# KiCad board -Z.kicad_pcb (continued)
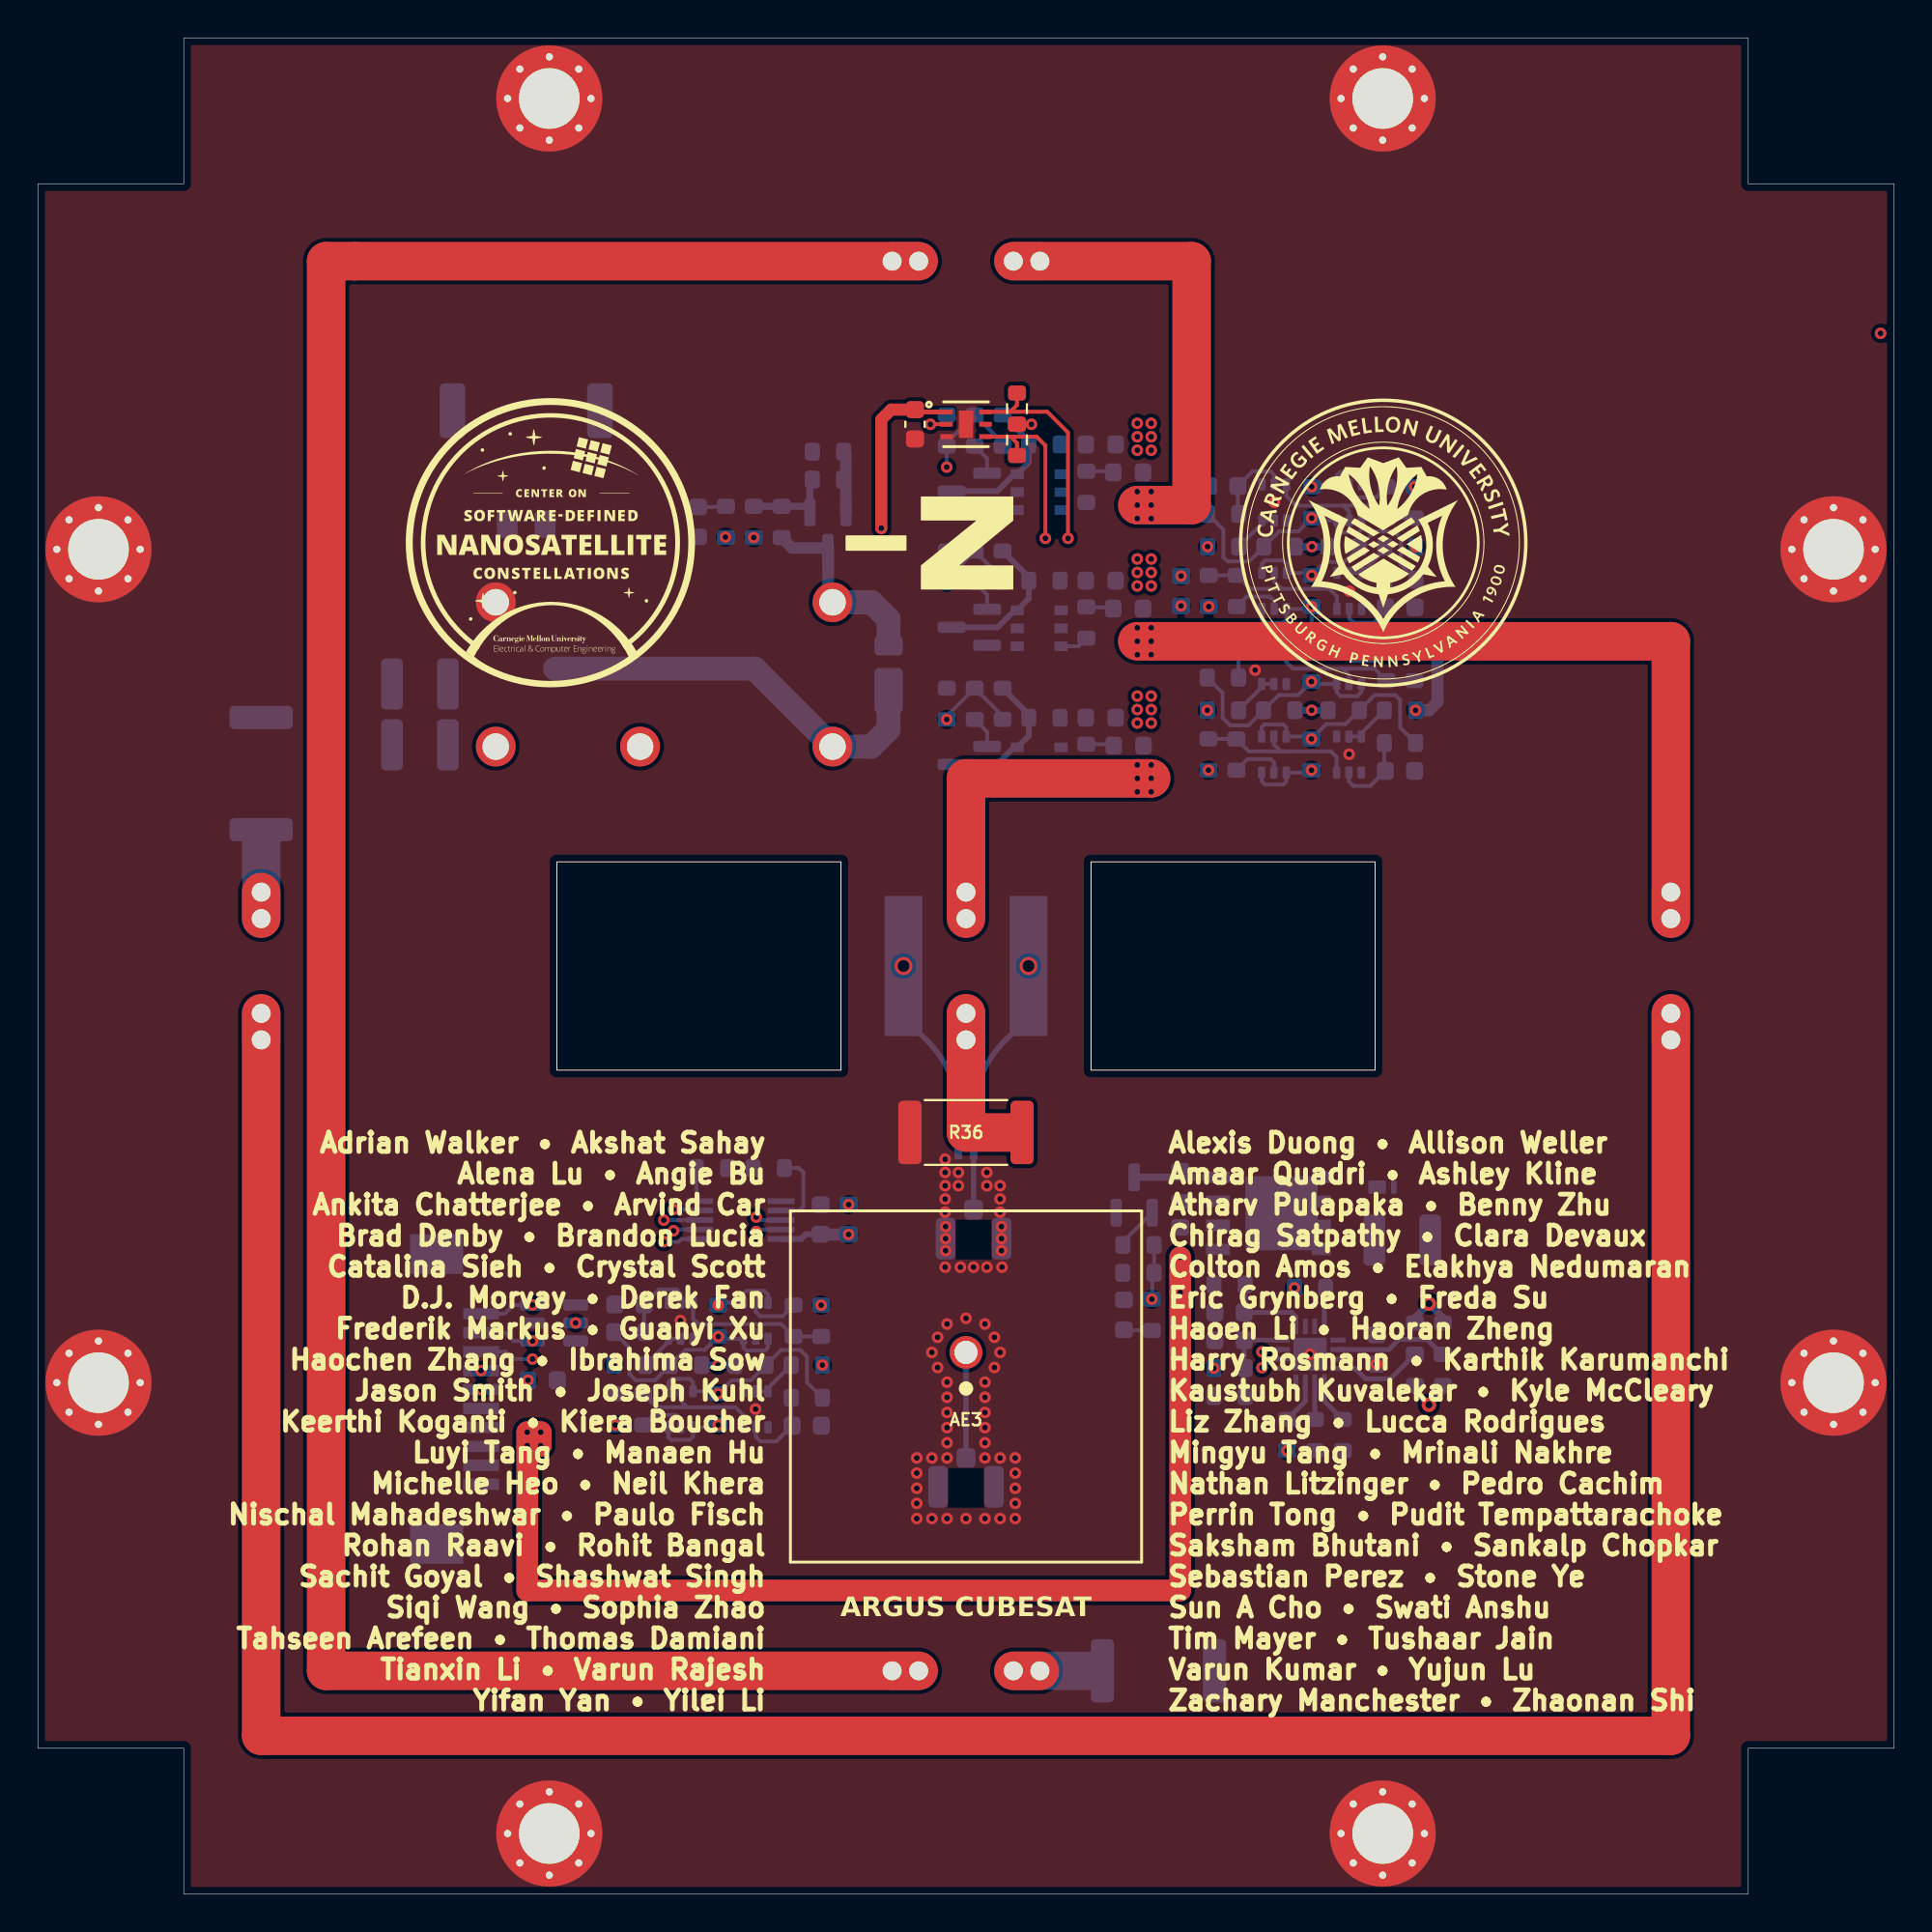
[diagram p0: board, top side]
## Nets
3V3_P: C13.1 F1.2 F6.2 J1.6 J1.7 R41.1 R42.2 R50.1 R52.1 R53.1 R55.1 R58.1 R59.1 R61.1 U5.5
GND: BA1.2 C1.2 C2.2 C3.2 C4.2 C5.2 C6.2 C7.2 C8.2 C9.2 C10.2 C11.2 C12.2 C13.2 C14.2 C15.2 D2.1 D3.1 D4.1 D5.1 D6.1 D7.2 H1.1 H2.1 H3.1 H4.1 H5.1 H6.1 H7.1 H8.1 J1.4 J1.5 J1.MP J2.1 J2.MP J3.2 J4.2 Q2.1 Q2.4 Q4.1 Q4.4 Q6.2 Q8.2 Q10.2 Q12.2 Q15.1 Q15.4 Q17.1 Q17.4 Q19.1 Q19.4 Q21.1 Q21.4 R18.2 R21.2 R24.1 R27.2 R30.1 R33.2 R36.1 R38.1 R43.1 R44.1 R49.2 R51.2 R64.1 R65.1 U1.3 U1.7 U2.12 U3.7 U3.17 U4.6 U5.2
VBATT: C14.1 C15.1 D1.1 J2.2 U2.14 U2.A1
VBATT_M: F5.2 J1.1 J1.2 J1.3
/Burn Wires/VBURN1: JP1.1 Q7.1 Q7.2 Q7.5 Q7.6 R23.1
/Burn Wires/VBURN2: JP3.1 Q9.1 Q9.2 Q9.5 Q9.6 R29.1
/Burn Wires/VBURN3: JP5.1 Q11.1 Q11.2 Q11.5 Q11.6 R35.1
/Burn Wires/VBURN_A_IN: F2.2 F3.2 F4.2 R78.1 U2.11
/Coil Driver/A0: R43.2 U3.10
/Coil Driver/A1: R44.2 U3.9
/Coil Driver/coil: R45.2 R46.1 R47.2 R48.1
/Coil Driver/IPROPI: C8.1 R49.1 U3.1
/Coil Driver/VM: C4.1 C5.1 D7.1 Q13.5 U3.5
/Coil Driver/VREF: C9.1 R50.2 R51.1 U3.16
/GPIO Expander/A0: R64.2 U4.5
/GPIO Expander/A1: R65.2 U4.7
/GPIO Expander/GE_3V3: C10.1 F6.1 R66.1 R67.1 R69.1 R72.1 R73.1 R75.1 U4.10
/Interfaces/GPS: AE3.1 J4.1
/Light Sensor/ADDR: R1.1 R2.2 U1.2
/Light Sensor/I2C Protection1/DEVICE: Q3.4 Q3.6 R2.1 R10.2 R13.1 R14.1 U1.4
/Light Sensor/I2C Protection/DEVICE: Q1.4 Q1.6 R1.2 R4.2 R7.1 R8.1 U1.6
/Light Sensor/LS_3V3: C1.1 F1.1 R3.1 R4.1 R6.1 R9.1 R10.1 R12.1 U1.1
BURN_EN1: R19.2 R20.2 R21.1 U4.1
BURN_EN2: R25.2 R26.2 R27.1 U4.2
BURN_EN3: R31.2 R32.2 R33.1 U4.3
BURN_RELAY_A: R15.1 U4.4
COIL_DRIVER_EN: J1.8 R37.1 R38.2 R39.1
COIL_N: R47.1 R48.2 U3.8
COIL_P: R45.1 R46.2 U3.6
SCL: J1.10 Q3.1 Q3.3 Q14.1 Q14.3 Q18.1 Q18.3 R14.2 R57.2 R71.2 U5.3
SCL_IO: Q18.4 Q18.6 R67.2 R70.1 R71.1 U4.8
SCL_M: Q14.4 Q14.6 R53.2 R56.1 R57.1 U3.15
SDA: J1.9 Q1.1 Q1.3 Q16.1 Q16.3 Q20.1 Q20.3 R8.2 R63.2 R77.2 U5.1
SDA_IO: Q20.4 Q20.6 R73.2 R76.1 R77.1 U4.9
SDA_M: Q16.4 Q16.6 R59.2 R62.1 R63.1 U3.14
Net-(AE1-Pad1): AE1.1 BA1.4
Net-(AE2-Pad1): AE2.1 BA1.3
Net-(D1-A): D1.2 Q5.3 R16.2 U2.A2
Net-(D2-A): D2.2 R78.2
Net-(D3-A): D3.2 R23.2
Net-(D4-A): D4.2 R29.2
Net-(D5-A): D5.2 R35.2
Net-(D6-A): D6.2 R37.2
Net-(F5-Pad1): F5.1 Q13.1 Q13.2 Q13.3 R40.2
Net-(J3-In): BA1.1 J3.1
Net-(JP1-B): JP1.2 JP2.1
Net-(JP2-B): JP2.2 R24.2
Net-(JP3-B): JP3.2 JP4.1
Net-(JP4-B): JP4.2 R30.2
Net-(JP5-B): JP5.2 R36.2
Net-(Q1A-B1): Q1.2 R5.1
Net-(Q1B-B2): Q1.5 Q2.6 R3.2 R5.2
Net-(Q2A-G2): Q2.2 Q2.3 R6.2
Net-(Q2B-G1): C2.1 Q2.5 R7.2
Net-(Q3A-B1): Q3.2 R11.1
Net-(Q3B-B2): Q3.5 Q4.6 R9.2 R11.2
Net-(Q4A-G2): Q4.2 Q4.3 R12.2
Net-(Q4B-G1): C3.1 Q4.5 R13.2
Net-(Q5-B): Q5.1 R15.2 R16.1 R17.1
Net-(Q5-E): Q5.2 R17.2 R18.1
Net-(Q6-D): Q6.3 Q7.3 R19.1 R22.1
Net-(Q6-G): Q6.1 R20.1
Net-(Q7-S): F2.1 Q7.4 R22.2
Net-(Q8-D): Q8.3 Q9.3 R25.1 R28.1
Net-(Q8-G): Q8.1 R26.1
Net-(Q9-S): F3.1 Q9.4 R28.2
Net-(Q10-D): Q10.3 Q11.3 R31.1 R34.1
Net-(Q10-G): Q10.1 R32.1
Net-(Q11-S): F4.1 Q11.4 R34.2
Net-(Q12-D): Q12.3 Q13.4 R40.1
Net-(Q12-G): Q12.1 R39.2
Net-(Q14A-B1): Q14.2 R54.1
Net-(Q14B-B2): Q14.5 Q15.6 R52.2 R54.2
Net-(Q15A-G2): Q15.2 Q15.3 R55.2
Net-(Q15B-G1): C6.1 Q15.5 R56.2
Net-(Q16A-B1): Q16.2 R60.1
Net-(Q16B-B2): Q16.5 Q17.6 R58.2 R60.2
Net-(Q17A-G2): Q17.2 Q17.3 R61.2
Net-(Q17B-G1): C7.1 Q17.5 R62.2
Net-(Q18A-B1): Q18.2 R68.1
Net-(Q18B-B2): Q18.5 Q19.6 R66.2 R68.2
Net-(Q19A-G2): Q19.2 Q19.3 R69.2
Net-(Q19B-G1): C11.1 Q19.5 R70.2
Net-(Q20A-B1): Q20.2 R74.1
Net-(Q20B-B2): Q20.5 Q21.6 R72.2 R74.2
Net-(Q21A-G2): Q21.2 Q21.3 R75.2
Net-(Q21B-G1): C12.1 Q21.5 R76.2
Net-(U3-NFAULT): R41.2 U3.4
Net-(U3-NSLEEP): R42.1 U3.11

Pads without a net: U1 5; U3 2 3 12 13; U5 4 6

## Via types
v1: diameter 0.61, hole 0.305, Top to Bottom, 171 vias
v2: diameter 0.94, hole 0.635, Top to Bottom, 2 vias
v3: diameter 0.762, hole 0.381, Top to Bottom, 2 vias

## Routing (per net, layer and track width the routed paths; a pad name or vN(x,y) marks a point on that pad's centre or on a via; arc(x,y) is an arc through that point)
3V3_P: length 37.2
  In2.Cu w1.143: 20.3,56.5 20.3,41.3 ; 77,56.6 77,41.4
  Bottom w0.381: R59.1 v1(67.25,62.5) R53.1
  Bottom w0.635: v1(72.74,62.5) 73.45,62.5 73.89,62.94 73.89,65.31 73.49,65.71 R52.1
  vias: v1(23.4,27.64) v1(23.4,26.64) v1(25.87,27.13) v1(28.39,30.15) v1(42.8,36.4) v1(60.35,69.59) v1(61.74,62.5) v1(61.8,59.34) v1(62.09,27.77) v1(65.95,23.41) v1(66.34,32.01)
GND:
  vias: v1(33.92,30.28) v1(37.89,25.6) v1(46.4,23.03) v1(46.4,22.23) v1(46.4,21.43) v1(46.4,20.63) v1(46.4,19.83) v1(47.2,28.6) v1(47.2,23.03) v1(47.2,19.83) v1(47.5,29.4) v1(47.5,27.8) v1(47.9,38.8) v1(47.9,38.1) v1(47.9,37.4) v1(47.9,36.7) v1(47.9,36) v1(47.93,35.24) v1(47.93,34.61) v1(47.93,33.97) v1(47.9,33.1) v1(48,30.1) v1(48,27.03) v1(48,26.23) v1(48,25.43) v1(48,24.63) v1(48,23.83) v1(48,23.03) v1(48,19.83) v1(48.6,38.1) v1(48.6,37.4) v1(48.7,33.1) v1(49,30.4) v1(49,19.83) v1(49.4,33.1) v1(50,30.1) v1(50,27.03) v1(50,26.23) v1(50,25.43) v1(50,24.63) v1(50,23.83) v1(50,23.03) v1(50,19.83) v1(50.1,38.1) v1(50.1,37.4) v1(50.1,33.1) v1(50.5,29.4) v1(50.5,27.8) v1(50.8,37.4) v1(50.8,36.7) v1(50.8,36) v1(50.8,28.6) v1(50.8,23.03) v1(50.8,19.83) v1(50.88,35.24) v1(50.88,34.61) v1(50.88,33.97) v1(50.9,33.1) v1(51.6,23.03) v1(51.6,22.23) v1(51.6,21.43) v1(51.6,20.63) v1(51.6,19.83) v1(64.27,64.62) v1(65.28,73.49) v1(67.16,28.5) v1(69.24,68.79) v1(69.23,60.18) v1(70.67,27.98)
VBATT: length 21.7
  Bottom w1.27: 27.31,64.7 37.84,64.7 U2.A1 44,60.58 44.91,61.5 D1.1
VBATT_M: length 64.4
  Top w1.143: v1(25.84,23.68) v1(26.55,23.68) v1(26.55,24.39) v1(25.84,24.39) 25.84,16.03 60.31,16.03 v1(60.31,31.75) v1(60.31,32.69) v1(60.31,33.62)
  Bottom w1.143: v1(60.31,31.75) v1(60.31,32.69) v1(60.31,33.62)
/Burn Wires/VBURN1: length 26.6
  Top w2.032: JP1.1 60.91,86.21 60.91,73.33 v1(58.04,73.33)
  Bottom w2.032: JP1.1 JP1.1
  vias: v1(58.04,74.04) v1(58.04,72.62) v1(58.78,74.04) v1(58.78,73.33) v1(58.78,72.62)
/Burn Wires/VBURN2: length 45.7
  Top w2.032: v1(58.04,66.15) 86.21,66.15 JP3.1
  Bottom w0.203: 55.35,66.29 54.95,65.88 Q9.6
  Bottom w2.032: JP3.1 JP3.1
  vias: v1(58.04,66.86) v1(58.04,65.43) v1(58.78,66.86) v1(58.78,66.15) v1(58.78,65.43)
/Burn Wires/VBURN3: length 17.2
  Top w2.032: JP5.1 49,58.91 v1(58.78,58.91)
  vias: v1(58.04,59.62) v1(58.04,58.91) v1(58.04,58.19) v1(58.78,59.62) v1(58.78,58.19)
/Burn Wires/VBURN_A_IN: length 57.6
  In2.Cu w0.635: v1(36.3,71.64) 36.3,64.44
  In2.Cu w2.032: 56.29,64.7 56.29,62.54 v1(58.78,62.54) ; 56.29,64.7 56.29,69.85 ; 56.29,64.7 56.04,64.44 31.79,64.44 U2.11 ; 56.29,69.85 56.37,69.78 v1(58.78,69.78) ; 56.29,69.85 56.29,76.94 v1(58.78,76.94)
  vias: v1(58.04,77.65) v1(58.04,76.94) v1(58.04,76.23) v1(58.04,70.49) v1(58.04,69.78) v1(58.04,69.07) v1(58.04,63.25) v1(58.04,62.54) v1(58.04,61.83) v1(58.78,77.65) v1(58.78,76.23) v1(58.78,70.49) v1(58.78,69.07) v1(58.78,63.25) v1(58.78,61.83)
/Coil Driver/A0: length 2
  Bottom w0.254: 67.41,27.03 67.42,25.06
/Coil Driver/A1: length 2.4
  Bottom w0.254: R44.2 67.92,26.04 67.92,27.03
/Coil Driver/coil: length 16180.7
  In2.Cu w0.411: v3(73.44,31.17) 74.93,31.17 74.93,35.13 78.38,38.57 78.38,59.52 75.02,62.87 75.02,73.87 73.9,73.87 73.9,75.67 63.21,75.67 59.83,79.05 38.19,79.05 34.81,75.67 24.12,75.67 24.12,73.87 22.32,73.87 22.32,63.18 18.94,59.8 18.94,38.16 22.32,34.78 22.32,24.09 24.12,24.09 24.12,22.28 34.81,22.28 38.19,18.9 59.81,18.9 63.19,22.28 73.9,22.28 73.9,24.09 75.71,24.09 75.71,34.81 79.06,38.16 79.06,59.8 75.71,63.15 75.71,74.53 75.68,74.56 74.59,74.56 74.59,76.36 63.49,76.36 60.11,79.74 37.91,79.74 34.53,76.36 23.43,76.36 23.43,74.56 21.63,74.56 21.63,63.46 18.25,60.08 18.25,37.88 21.63,34.5 21.63,23.4 23.43,23.4 23.43,21.6 34.53,21.6 37.91,18.22 60.09,18.22 63.47,21.6 74.59,21.6 74.59,23.38 74.62,23.4 76.39,23.4 76.39,34.53 79.75,37.88 79.75,60.08 76.39,63.43 76.39,75.24 75.28,75.24 75.28,77.05 63.77,77.05 60.39,80.42 37.63,80.42 34.26,77.05 22.75,77.05 22.75,75.24 20.95,75.24 20.95,63.74 17.57,60.36 17.57,37.6 20.95,34.22 20.95,22.71 22.75,22.71 22.75,20.91 34.26,20.91 37.63,17.53 60.37,17.53 63.74,20.91 75.28,20.91 75.28,22.71 77.08,22.71 77.08,34.25 80.43,37.6 80.43,60.36 77.08,63.71 77.08,75.93 75.96,75.93 75.96,77.73 64.05,77.73 60.42,81.36 60.39,81.36 60.14,81.11 37.86,81.11 37.61,81.36 33.98,77.73 22.06,77.73 22.06,75.93 20.26,75.93 20.26,64.02 16.63,60.38 16.88,60.13 16.88,37.8 16.65,37.57 16.65,37.55 20.26,33.94 20.26,22.03 22.06,22.03 22.06,20.23 33.98,20.23 37.61,16.59 37.86,16.85 60.14,16.85 60.39,16.59 64.02,20.23 75.96,20.23 75.96,22.03 77.77,22.03 77.77,33.97 81.37,37.57 81.12,37.83 81.12,60.13 81.37,60.38 77.77,63.99 77.77,76.61 76.65,76.61 76.65,78.42 64.33,78.42 60.42,82.33 60.39,82.33 59.86,81.8 38.14,81.8 37.61,82.33 33.7,78.42 21.38,78.42 21.38,76.61 19.57,76.61 19.57,64.29 15.66,60.38 15.66,60.36 16.2,59.82 16.2,38.08 15.69,37.57 15.69,37.55 19.57,33.66 19.57,21.34 21.38,21.34 21.38,19.54 33.7,19.54 37.61,15.63 38.14,16.16 59.86,16.16 60.39,15.63 64.3,19.54 76.65,19.54 76.65,21.34 78.45,21.34 78.45,33.69 82.34,37.57 81.8,38.11 81.8,59.85 82.34,60.38 78.45,64.27 78.45,77.3 77.33,77.3 77.33,79.1 64.61,79.1 60.42,83.29 60.39,83.29 59.58,82.48 38.42,82.48 37.61,83.29 33.42,79.1 20.69,79.1 20.69,77.3 18.89,77.3 18.89,64.57 14.7,60.38 14.7,60.36 15.51,59.54 15.51,38.36 14.72,37.57 14.72,37.55 18.89,33.38 18.89,20.66 20.69,20.66 20.69,18.85 33.42,18.85 37.61,14.66 38.42,15.48 59.58,15.48 60.39,14.66 64.58,18.85 77.33,18.85 77.33,20.66 79.14,20.66 79.14,33.41 83.3,37.57 82.49,38.39 82.49,59.57 83.3,60.38 79.14,64.55 79.14,77.4 79.72,77.99 78.02,77.99 78.02,80.63 77.18,79.79 64.89,79.79 60.42,84.26 60.39,84.26 59.3,83.17 38.7,83.17 37.61,84.26 33.14,79.79 20.87,79.79 20.01,80.65 20.01,77.99 17.34,77.99 18.2,77.12 18.2,64.85 13.73,60.38 13.73,60.36 14.82,59.27 14.82,38.64 13.76,37.57 13.76,37.55 18.2,33.1 18.2,20.84 17.34,19.97 20.01,19.97 20.01,17.3 20.87,18.17 33.14,18.17 37.61,13.7 38.7,14.79 59.3,14.79 60.39,13.7 64.86,18.17 77.16,18.17 78.02,17.3 78.02,19.97 80.69,19.97 79.82,20.84 79.82,33.13 84.27,37.57 83.18,38.67 83.18,59.29 84.27,60.38 79.82,64.83 79.82,77.12 81.37,78.67 78.71,78.67 78.71,82.28 76.9,80.47 65.17,80.47 60.42,85.22 60.39,85.22 59.02,83.85 38.98,83.85 37.61,85.22 32.86,80.47 21.15,80.47 19.32,82.3 19.32,78.67 15.69,78.67 17.52,76.84 17.52,65.13 12.77,60.38 12.77,60.36 14.14,58.99 14.14,38.92 12.79,37.57 12.79,37.55 17.52,32.82 17.52,21.11 15.69,19.29 19.32,19.29 19.32,15.65 21.15,17.48 32.86,17.48 37.61,12.73 38.98,14.1 59.02,14.1 60.39,12.73 65.14,17.48 76.88,17.48 78.71,15.65 78.71,19.29 82.34,19.29 80.51,21.11 80.51,32.85 85.23,37.57 83.86,38.95 83.86,59.01 85.23,60.38 80.51,65.11 80.51,76.84 83.02,79.36 79.39,79.36 79.39,83.93 76.62,81.16 65.45,81.16 60.42,86.19 60.39,86.19 58.74,84.54 39.26,84.54 37.61,86.19 32.58,81.16 21.43,81.16 18.63,83.95 18.63,79.36 14.04,79.36 16.83,76.56 16.83,65.41 11.8,60.38 11.8,60.36 13.45,58.71 13.45,39.2 11.83,37.57 11.83,37.55 16.83,32.54 16.83,21.39 14.04,18.6 18.63,18.6 18.63,14 21.43,16.8 32.58,16.8 37.61,11.77 39.26,13.42 58.74,13.42 60.39,11.77 65.42,16.8 76.6,16.8 79.39,14 79.39,18.6 83.99,18.6 81.19,21.39 81.19,32.57 86.2,37.57 84.55,39.22 84.55,58.73 86.17,60.36 86.17,60.41 81.19,65.39 81.19,76.56 84.67,80.04 80.08,80.04 80.08,85.61 76.32,81.85 65.73,81.85 59.84,87.73 38.19,87.73 32.3,81.85 21.71,81.85 17.95,85.61 17.95,80.04 12.39,80.04 16.15,76.28 16.15,65.69 10.29,59.84 10.29,38.12 16.15,32.27 16.15,21.67 12.39,17.91 17.95,17.91 17.95,12.35 21.71,16.11 32.3,16.11 38.17,10.24 59.83,10.24 65.7,16.11 76.32,16.11 80.08,12.35 80.08,17.91 85.64,17.91 81.88,21.67 81.88,32.29 87.74,38.15 87.74,59.81 81.88,65.67 81.88,76.28 86.33,80.73 80.76,80.73 80.76,87.26 76.04,82.53 66.01,82.53 60.14,88.4 37.88,88.4 32.02,82.53 21.99,82.53 17.26,87.26 17.26,80.73 10.73,80.73 15.46,76 15.46,65.97 9.6,60.12 9.6,37.84 15.46,31.99 15.46,21.95 10.73,17.23 17.26,17.23 17.26,10.7 21.99,15.43 32.02,15.43 37.89,9.55 60.11,9.55 60.64,10.08 ; 60.64,10.08 65.98,15.43 76.04,15.43 80.76,10.7 80.76,17.23 87.29,17.23 82.57,21.95 82.57,32.01 88.4,37.84 88.4,60.12 87.77,60.74 ; 60.64,10.08 60.39,9.84 ; 87.77,60.74 82.57,65.95 82.57,76 87.98,81.41 81.45,81.41 81.45,88.91 75.76,83.22 66.28,83.22 60.42,89.09 37.61,89.09 31.74,83.22 22.27,83.22 16.58,88.91 16.58,81.41 9.08,81.41 14.77,75.72 14.77,66.25 8.91,60.38 8.91,37.57 14.77,31.71 14.77,22.23 9.08,16.54 16.58,16.54 16.58,9.05 22.27,14.74 31.74,14.74 37.61,8.87 60.39,8.87 66.26,14.74 75.76,14.74 81.45,9.05 81.45,16.54 88.94,16.54 83.25,22.23 83.25,31.73 89.09,37.57 89.09,60.38 83.25,66.23 83.25,75.72 89.04,81.52 89.04,82.1 82.13,82.1 82.13,89.8 81.37,89.8 75.48,83.9 66.56,83.9 60.67,89.8 37.35,89.8 31.46,83.9 22.55,83.9 16.65,89.8 15.89,89.8 15.89,82.1 8.19,82.1 8.19,81.34 14.09,75.45 14.09,66.53 8.19,60.64 8.19,37.32 14.09,31.43 14.09,22.51 8.19,16.62 8.19,15.86 15.89,15.86 15.89,8.16 16.65,8.16 22.55,14.05 31.46,14.05 37.35,8.16 60.65,8.16 66.54,14.05 75.48,14.05 81.37,8.16 82.13,8.16 82.13,15.86 89.83,15.86 89.83,16.62 83.94,22.51 83.94,31.45 89.83,37.35 89.83,37.8 89.83,60.61 83.94,66.5 83.94,75.45 89.73,81.24 89.73,82.79 82.82,82.79 82.82,90.48 81.09,90.48 75.2,84.59 66.84,84.59 60.95,90.48 37.07,90.48 31.18,84.59 22.83,84.59 16.93,90.48 15.21,90.48 15.21,82.79 7.51,82.79 7.51,81.06 13.4,75.17 13.4,66.81 7.51,60.92 7.51,37.04 13.4,31.15 13.4,22.79 7.51,16.9 7.51,15.17 15.21,15.17 15.21,7.47 16.93,7.47 22.83,13.37 31.18,13.37 37.07,7.47 60.93,7.47 66.82,13.37 75.2,13.37 81.09,7.47 82.82,7.47 82.82,15.17 90.52,15.17 90.52,16.9 84.62,22.79 84.62,31.17 90.52,37.07 90.52,60.89 84.62,66.78 84.62,75.17 90.41,80.96 90.41,83.47 83.51,83.47 83.51,91.17 80.81,91.17 74.92,85.28 67.12,85.28 61.23,91.17 36.8,91.17 30.9,85.28 23.1,85.28 17.21,91.17 14.52,91.17 14.52,83.47 6.82,83.47 6.82,80.78 12.72,74.89 12.72,67.09 6.82,61.2 6.82,38.15 6.82,36.76 12.72,30.87 12.72,23.07 6.82,17.18 6.82,14.49 14.52,14.49 14.52,6.79 17.21,6.79 23.1,12.68 30.9,12.68 36.8,6.79 38.42,6.79 61.2,6.79 67.1,12.68 74.92,12.68 80.81,6.79 83.51,6.79 83.51,14.49 91.2,14.49 91.2,17.18 85.31,23.07 85.31,30.89 91.2,36.79 91.2,61.17 85.31,67.06 85.31,74.89 91.1,80.68 91.1,84.16 84.19,84.16 84.19,91.85 80.53,91.85 74.64,85.96 67.4,85.96 61.51,91.85 60,91.85 37.54,91.85 36.52,91.85 30.62,85.96 23.38,85.96 17.49,91.85 13.83,91.85 13.83,84.16 6.14,84.16 6.14,80.5 12.03,74.61 12.03,67.37 6.14,61.48 6.14,36.48 12.03,30.59 12.03,23.35 6.14,17.46 6.14,13.8 13.83,13.8 13.83,6.1 17.49,6.1 23.38,12 30.62,12 36.52,6.1 61.48,6.1 67.38,12 74.64,12 80.53,6.1 84.19,6.1 84.19,13.8 91.89,13.8 91.89,17.46 86,23.35 86,30.61 91.89,36.51 91.89,59.54 91.89,61.45 86,67.34 86,74.61 91.79,80.4 91.79,84.84 84.88,84.84 84.88,92.54 80.25,92.54 74.36,86.65 67.68,86.65 61.79,92.54 38.36,92.54 36.24,92.54 30.34,86.65 23.66,86.65 17.77,92.54 13.15,92.54 13.15,84.84 5.45,84.84 5.45,80.22 11.34,74.33 11.34,67.65 5.45,61.75 5.45,36.2 11.34,30.31 11.34,23.63 5.45,17.74 5.45,13.11 13.15,13.11 13.15,5.42 17.77,5.42 23.66,11.31 30.34,11.31 36.24,5.42 61.76,5.42 67.66,11.31 74.36,11.31 80.25,5.42 84.88,5.42 84.88,13.11 92.57,13.11 92.57,17.74 86.68,23.63 86.68,30.33 92.57,36.23 92.57,61.73 86.68,67.62 86.68,74.33 92.47,80.12 92.47,85.53 85.56,85.53 85.56,93.23 79.98,93.23 74.08,87.33 67.96,87.33 62.07,93.23 35.96,93.23 30.06,87.33 23.94,87.33 18.05,93.23 12.46,93.23 12.46,85.53 4.77,85.53 4.77,79.94 10.66,74.05 10.66,67.93 4.77,62.03 4.77,35.92 10.66,30.03 10.66,23.91 4.77,18.02 4.77,12.43 12.46,12.43 12.46,4.73 18.05,4.73 23.94,10.62 30.06,10.62 35.96,4.73 62.04,4.73 67.94,10.62 74.08,10.62 79.98,4.73 85.56,4.73 85.56,12.43 93.26,12.43 93.26,18.02 87.37,23.91 87.37,30.06 93.26,35.95 93.26,62.01 87.37,67.9 87.37,74.05 93.16,79.84 93.16,84.18 93.84,84.87 93.84,86.21 86.25,86.21 86.25,93.91 79.7,93.91 73.8,88.02 68.24,88.02 62.35,93.91 38.66,93.91 35.68,93.91 29.78,88.02 24.22,88.02 18.33,93.91 11.78,93.91 11.78,86.24 11.75,86.21 4.08,86.21 4.08,79.66 9.97,73.77 9.97,68.21 4.08,62.31 4.08,35.64 9.97,29.75 9.97,24.19 4.08,18.3 4.08,11.74 11.78,11.74 11.78,4.05 18.33,4.05 24.22,9.94 29.78,9.94 35.68,4.05 62.32,4.05 68.22,9.94 73.8,9.94 79.7,4.05 86.25,4.05 86.25,11.74 93.95,11.74 93.95,18.3 88.05,24.19 88.05,29.78 93.95,35.67 93.95,62.29 88.05,68.18 88.05,73.77 93.84,79.56 93.84,83.9 94.53,84.59 94.53,86.9 86.93,86.9 86.93,94.6 79.42,94.6 73.52,88.7 68.52,88.7 62.63,94.6 35.4,94.6 29.51,88.7 24.5,88.7 18.61,94.6 11.09,94.6 11.09,86.9 3.39,86.9 3.39,79.38 9.29,73.49 9.29,68.49 3.39,62.59 3.39,35.36 9.29,29.47 9.29,24.47 3.39,18.57 3.39,11.06 11.09,11.06 11.09,3.36 18.61,3.36 24.5,9.25 29.51,9.25 35.4,3.36 62.6,3.36 68.49,9.25 73.52,9.25 79.42,3.36 86.93,3.36 86.93,11.06 94.63,11.06 94.63,18.57 88.74,24.47 88.74,29.5 94.63,35.39 94.63,62.57 88.74,68.46 88.74,73.49 94.53,79.28 94.53,83.62 95.22,84.31 95.22,87.59 87.62,87.59 87.62,95.28 79.14,95.28 73.24,89.39 68.8,89.39 62.91,95.28 35.12,95.28 29.23,89.39 24.78,89.39 18.89,95.28 10.4,95.28 10.4,87.59 2.71,87.59 2.71,79.1 8.6,73.21 8.6,68.77 2.71,62.87 2.71,35.08 8.6,29.19 8.6,24.75 2.71,18.85 2.71,10.37 10.4,10.37 10.4,2.67 18.89,2.67 24.78,8.57 29.23,8.57 35.12,2.67 62.88,2.67 68.77,8.57 73.24,8.57 79.14,2.67 87.62,2.67 87.62,10.37 95.32,10.37 95.32,18.85 89.42,24.75 89.42,29.22 95.32,35.11 95.32,62.85 89.42,68.74 89.42,73.21 95.22,79 95.22,83.34 95.9,84.03 95.9,88.27 88.31,88.27 88.31,95.97 78.86,95.97 72.96,90.08 69.08,90.08 63.19,95.97 34.84,95.97 28.95,90.08 25.06,90.08 19.17,95.97 9.72,95.97 9.72,88.27 2.02,88.27 2.02,78.82 7.92,72.93 7.92,69.04 2.02,63.15 2.02,34.81 7.92,28.91 7.92,25.03 2.02,19.13 2.02,9.68 9.72,9.68 9.72,1.99 19.17,1.99 25.06,7.88 28.95,7.88 34.84,1.99 63.16,1.99 69.05,7.88 72.96,7.88 78.86,1.99 88.31,1.99 88.31,9.68 96,9.68 96,19.13 90.11,25.03 90.11,28.94 96,34.83 96,63.13 90.11,69.02 90.11,72.93 95.9,78.72 95.9,83.07 96.59,83.75 96.59,88.96 88.99,88.96 88.99,96.65 78.58,96.65 72.69,90.76 69.36,90.76 63.47,96.65 34.56,96.65 28.67,90.76 25.34,90.76 19.45,96.65 9.03,96.65 9.03,88.96 1.34,88.96 1.34,78.54 7.23,72.65 7.23,69.32 1.34,63.43 1.34,34.53 7.23,28.63 7.23,25.31 1.34,19.41 1.34,9 9.03,9 9.03,1.3 19.45,1.3 25.34,7.2 28.67,7.2 34.56,1.3 63.44,1.3 69.33,7.2 72.69,7.2 78.58,1.3 88.99,1.3 88.99,9 96.69,9 96.69,19.41 90.8,25.31 90.8,28.66 96.69,34.55 96.69,63.41 90.8,69.3 90.8,72.65 96.59,78.44 96.59,82.79 97.27,83.47 97.27,89.64 89.71,89.64 89.67,89.68 89.67,97.34 78.3,97.34 72.41,91.45 69.64,91.45 63.75,97.34 34.28,97.34 28.39,91.45 25.62,91.45 19.73,97.34 8.35,97.34 8.35,89.64 0.65,89.64 0.65,78.27 6.54,72.37 6.54,69.59 0.65,63.7 0.65,34.26 6.54,28.37 6.54,25.58 0.65,19.69 0.65,8.32 8.35,8.32 8.35,0.62 19.73,0.62 25.62,6.51 28.39,6.51 34.28,0.62 63.72,0.62 69.61,6.51 72.41,6.51 78.3,0.62 89.67,0.62 89.67,8.32 97.37,8.32 97.37,19.68 91.48,25.57 91.48,28.38 97.37,34.27 97.37,63.69 91.48,69.58 91.48,72.37 97.29,78.18 v1(97.29,82.4) ; 87.77,60.74 88.13,60.38
  In3.Cu w0.368: v3(73.44,25.84) 73.44,22.28 69.19,22.28
  In3.Cu w0.411: 87.9,60.6 82.56,65.94 82.56,76 86.6,80.04 80.07,80.04 80.07,85.6 76.31,81.84 65.72,81.84 59.87,87.68 38.13,87.68 32.29,81.84 21.7,81.84 17.94,85.6 17.94,80.04 12.38,80.04 16.14,76.28 16.14,65.69 10.27,59.82 10.27,38.13 16.14,32.26 16.14,21.67 12.38,17.91 17.94,17.91 17.94,12.35 21.7,16.11 32.29,16.11 38.16,10.24 59.82,10.24 65.69,16.11 76.31,16.11 80.07,12.35 80.07,17.91 85.63,17.91 81.87,21.67 81.87,32.29 87.71,38.13 87.71,59.82 81.87,65.66 81.87,76.28 84.94,79.35 79.38,79.35 79.38,83.93 76.61,81.16 65.44,81.16 60.41,86.19 60.38,86.19 58.73,84.53 39.25,84.53 37.6,86.19 32.57,81.16 21.42,81.16 18.63,83.95 18.63,79.35 14.03,79.35 16.82,76.56 16.82,65.41 11.79,60.38 11.79,60.35 13.44,58.7 13.44,39.2 11.82,37.57 11.82,37.54 16.82,32.54 16.82,21.39 14.03,18.6 18.63,18.6 18.63,14 21.42,16.79 32.57,16.79 37.6,11.76 39.25,13.41 58.73,13.41 60.38,11.76 65.41,16.79 76.59,16.79 79.38,14 79.38,18.6 83.98,18.6 81.19,21.39 81.19,32.57 86.19,37.57 84.54,39.22 84.54,58.73 86.16,60.35 86.16,60.4 81.19,65.38 81.19,76.56 83.29,78.67 78.7,78.67 78.7,82.27 76.89,80.47 65.16,80.47 60.41,85.22 60.38,85.22 59.01,83.85 38.97,83.85 37.6,85.22 32.85,80.47 21.14,80.47 19.31,82.3 19.31,78.67 15.68,78.67 17.51,76.84 17.51,65.13 12.76,60.38 12.76,60.35 14.13,58.98 14.13,38.92 12.78,37.57 12.78,37.54 17.51,32.82 17.51,21.11 15.68,19.28 19.31,19.28 19.31,15.65 21.14,17.48 32.85,17.48 37.6,12.73 38.97,14.1 59.01,14.1 60.38,12.73 65.13,17.48 76.87,17.48 78.7,15.65 78.7,19.28 82.33,19.28 80.5,21.11 80.5,32.85 85.22,37.57 83.85,38.94 83.85,59.01 85.22,60.38 80.5,65.1 80.5,76.84 81.64,77.98 78.01,77.98 78.01,80.62 77.17,79.78 64.88,79.78 60.41,84.26 60.38,84.26 59.29,83.16 38.69,83.16 37.6,84.26 33.13,79.78 20.86,79.78 20,80.65 20,77.98 17.33,77.98 18.19,77.12 18.19,64.85 13.72,60.38 13.72,60.35 14.82,59.26 14.82,38.64 13.75,37.57 13.75,37.54 18.19,33.1 18.19,20.83 17.33,19.97 20,19.97 20,17.3 20.86,18.16 33.13,18.16 37.6,13.69 38.69,14.79 59.29,14.79 60.38,13.69 64.85,18.16 77.15,18.16 78.01,17.3 78.01,19.97 80.68,19.97 79.81,20.83 79.81,33.13 84.26,37.57 83.17,38.66 83.17,59.29 84.26,60.38 79.81,64.82 79.81,77.3 77.32,77.3 77.32,79.1 64.6,79.1 60.41,83.29 60.38,83.29 59.57,82.48 38.41,82.48 37.6,83.29 33.41,79.1 20.68,79.1 20.68,77.3 18.88,77.3 18.88,64.57 14.69,60.38 14.69,60.35 15.5,59.54 15.5,38.36 14.71,37.57 14.71,37.54 18.88,33.38 18.88,20.65 20.68,20.65 20.68,18.85 33.41,18.85 37.6,14.66 38.41,15.47 59.57,15.47 60.38,14.66 64.57,18.85 77.32,18.85 77.32,20.65 79.13,20.65 79.13,33.4 83.29,37.57 82.48,38.38 82.48,59.57 83.29,60.38 79.13,64.54 79.13,76.61 76.64,76.61 76.64,78.41 64.32,78.41 60.41,82.32 60.38,82.32 59.85,81.79 38.13,81.79 37.6,82.32 33.69,78.41 21.37,78.41 21.37,76.61 19.56,76.61 19.56,64.29 15.65,60.38 15.65,60.35 16.19,59.82 16.19,38.08 15.68,37.57 15.68,37.54 19.56,33.66 19.56,21.34 21.37,21.34 21.37,19.54 33.69,19.54 37.6,15.62 38.13,16.16 59.85,16.16 60.38,15.62 64.29,19.54 76.64,19.54 76.64,21.34 78.44,21.34 78.44,33.68 82.33,37.57 81.79,38.1 81.79,59.85 82.33,60.38 78.44,64.27 78.44,75.92 75.95,75.92 75.95,77.73 64.04,77.73 60.41,81.36 60.38,81.36 60.13,81.11 37.85,81.11 37.6,81.36 33.97,77.73 22.05,77.73 22.05,75.92 20.25,75.92 20.25,64.01 16.62,60.38 16.87,60.13 16.87,37.8 16.64,37.57 16.64,37.54 20.25,33.94 20.25,22.03 22.05,22.03 22.05,20.22 33.97,20.22 37.6,16.59 37.85,16.84 60.13,16.84 60.38,16.59 64.01,20.22 75.95,20.22 75.95,22.03 77.76,22.03 77.76,33.96 81.36,37.57 81.11,37.82 81.11,60.13 81.36,60.38 77.76,63.99 77.76,75.24 75.27,75.24 75.27,77.04 63.76,77.04 60.38,80.42 37.62,80.42 34.25,77.04 22.74,77.04 22.74,75.24 20.94,75.24 20.94,63.73 17.56,60.35 17.56,37.6 20.94,34.22 20.94,22.71 22.74,22.71 22.74,20.91 34.25,20.91 37.62,17.53 60.36,17.53 63.74,20.91 75.27,20.91 75.27,22.71 77.07,22.71 77.07,34.24 80.42,37.6 80.42,60.35 77.07,63.71 77.07,74.55 74.58,74.55 74.58,76.36 63.48,76.36 60.1,79.73 37.9,79.73 34.53,76.36 23.43,76.36 23.43,74.55 21.62,74.55 21.62,63.45 18.24,60.07 18.24,37.87 21.62,34.5 21.62,23.4 23.43,23.4 23.43,21.59 34.53,21.59 37.9,18.22 60.08,18.22 63.46,21.59 74.58,21.59 74.58,23.37 74.61,23.4 76.38,23.4 76.38,34.52 79.74,37.87 79.74,60.07 76.38,63.43 76.38,73.87 73.9,73.87 73.9,75.67 63.2,75.67 59.82,79.05 38.18,79.05 34.8,75.67 24.11,75.67 24.11,73.87 22.31,73.87 22.31,63.17 18.93,59.8 18.93,38.15 22.31,34.78 22.31,24.08 24.11,24.08 24.11,22.28 34.8,22.28 38.18,18.9 59.8,18.9 63.18,22.28 69.19,22.28 ; 87.9,60.6 88.12,60.38 ; 87.9,60.6 88.4,60.1 88.4,37.85 82.56,32.01 82.56,21.95 87.28,17.22 80.75,17.22 80.75,10.7 76.03,15.42 65.97,15.42 60.61,10.06 ; 10.25,60.77 9.86,60.38 ; 10.25,60.77 9.58,60.1 9.58,37.85 15.45,31.98 15.45,21.95 10.73,17.22 17.25,17.22 17.25,10.7 21.98,15.42 32.01,15.42 37.34,10.09 ; 10.25,60.77 15.45,65.97 15.45,76 10.73,80.72 17.25,80.72 17.25,87.25 21.98,82.53 32.01,82.53 37.88,88.4 60.13,88.4 66,82.53 76.03,82.53 80.75,87.25 80.75,80.72 88.25,80.72 83.24,75.72 83.24,66.22 89.08,60.38 89.08,37.57 83.24,31.73 83.24,22.23 88.93,16.54 81.44,16.54 81.44,9.05 75.75,14.74 66.25,14.74 60.38,8.87 37.6,8.87 31.73,14.74 22.26,14.74 16.57,9.05 16.57,16.54 9.07,16.54 14.76,22.23 14.76,31.7 8.9,37.57 8.9,60.38 14.76,66.25 14.76,75.72 9.07,81.41 16.57,81.41 16.57,88.9 22.26,83.21 31.73,83.21 37.6,89.08 60.41,89.08 66.28,83.21 75.75,83.21 81.44,88.9 81.44,81.41 89.03,81.41 89.03,80.55 83.93,75.44 83.93,66.5 89.82,60.61 89.82,37.34 83.93,31.45 83.93,22.51 89.82,16.62 89.82,15.85 82.13,15.85 82.13,8.16 81.36,8.16 75.47,14.05 66.53,14.05 60.64,8.16 37.34,8.16 31.45,14.05 22.54,14.05 16.64,8.16 15.88,8.16 15.88,15.85 8.19,15.85 8.19,16.62 14.08,22.51 14.08,31.42 8.19,37.32 8.19,60.35 8.19,60.63 14.08,66.53 14.08,75.44 8.19,81.33 8.19,82.1 15.88,82.1 15.88,89.79 16.64,89.79 22.54,83.9 31.45,83.9 37.34,89.79 60.66,89.79 66.55,83.9 75.47,83.9 81.36,89.79 82.13,89.79 82.13,82.1 89.72,82.1 89.72,80.27 84.61,75.16 84.61,66.78 90.51,60.89 90.51,37.06 84.61,31.17 84.61,22.79 90.51,16.89 90.51,15.17 82.81,15.17 82.81,7.47 81.08,7.47 75.19,13.36 66.81,13.36 60.92,7.47 37.07,7.47 31.17,13.36 22.82,13.36 16.92,7.47 15.2,7.47 15.2,15.17 7.5,15.17 7.5,16.89 13.39,22.79 13.39,31.14 7.5,37.04 7.5,60.91 13.39,66.81 13.39,75.16 7.5,81.05 7.5,82.78 15.2,82.78 15.2,90.48 16.92,90.48 22.82,84.59 31.17,84.59 37.07,90.48 60.94,90.48 66.83,84.59 75.19,84.59 81.08,90.48 82.81,90.48 82.81,82.78 90.41,82.78 90.41,79.99 85.3,74.88 85.3,67.06 91.19,61.17 91.19,37.8 91.19,36.78 85.3,30.89 85.3,23.07 91.19,17.17 91.19,14.48 83.5,14.48 83.5,6.79 80.8,6.79 74.91,12.68 67.09,12.68 61.2,6.79 36.79,6.79 30.89,12.68 23.1,12.68 17.2,6.79 14.51,6.79 14.51,14.48 6.81,14.48 6.81,17.17 12.71,23.07 12.71,30.86 6.81,36.76 6.81,61.19 12.71,67.08 12.71,74.88 6.81,80.78 6.81,83.47 14.51,83.47 14.51,91.16 17.2,91.16 23.1,85.27 30.89,85.27 36.79,91.16 61.22,91.16 67.11,85.27 74.91,85.27 80.8,91.16 83.5,91.16 83.5,83.47 91.09,83.47 91.09,79.71 85.99,74.6 85.99,67.34 91.88,61.45 91.88,36.5 85.99,30.61 85.99,23.35 91.88,17.45 91.88,13.8 84.18,13.8 84.18,6.1 80.52,6.1 74.63,11.99 67.37,11.99 61.47,6.1 36.51,6.1 30.61,11.99 23.37,11.99 17.48,6.1 13.82,6.1 13.82,13.8 6.13,13.8 6.13,17.45 12.02,23.35 12.02,30.59 6.13,36.48 6.13,61.47 12.02,67.36 12.02,74.6 6.13,80.5 6.13,84.15 13.82,84.15 13.82,91.85 17.48,91.85 23.37,85.96 30.61,85.96 36.51,91.85 37.87,91.85 60.33,91.85 61.5,91.85 67.39,85.96 74.63,85.96 80.52,91.85 84.18,91.85 84.18,84.15 91.78,84.15 91.78,79.43 86.67,74.32 86.67,67.62 92.56,61.73 92.56,36.22 86.67,30.33 86.67,23.63 92.56,17.73 92.56,13.11 84.87,13.11 84.87,5.41 80.25,5.41 74.35,11.31 67.65,11.31 61.75,5.41 36.23,5.41 30.33,11.31 23.65,11.31 17.76,5.41 13.14,5.41 13.14,13.11 5.44,13.11 5.44,17.73 11.34,23.63 11.34,30.31 5.44,36.2 5.44,61.75 11.34,67.64 11.34,74.32 5.44,80.22 5.44,84.84 13.14,84.84 13.14,92.54 17.76,92.54 23.65,86.64 30.33,86.64 36.23,92.54 38.1,92.54 59.34,92.54 61.78,92.54 67.67,86.64 74.35,86.64 80.25,92.54 84.87,92.54 84.87,84.84 92.46,84.84 92.46,79.15 87.36,74.04 87.36,67.9 93.25,62 93.25,35.94 87.36,30.05 87.36,23.9 93.25,18.01 93.25,12.42 85.55,12.42 85.55,4.73 79.97,4.73 74.07,10.62 67.93,10.62 62.03,4.73 60.38,4.73 35.95,4.73 30.06,10.62 23.93,10.62 18.04,4.73 12.45,4.73 12.45,12.42 4.76,12.42 4.76,18.01 10.65,23.9 10.65,30.03 4.76,35.92 4.76,62.03 10.65,67.92 10.65,74.04 4.76,79.94 4.76,85.53 12.45,85.53 12.45,93.22 18.04,93.22 23.93,87.33 30.06,87.33 35.95,93.22 38.28,93.22 62.06,93.22 67.95,87.33 74.07,87.33 79.97,93.22 85.55,93.22 85.55,85.53 93.15,85.53 93.15,80.6 93.83,79.91 93.83,79.56 88.04,73.77 88.04,68.18 93.94,62.28 93.94,35.67 88.04,29.77 88.04,24.18 93.94,18.29 93.94,11.74 86.24,11.74 86.24,4.04 79.69,4.04 73.79,9.93 68.21,9.93 62.31,4.04 35.67,4.04 29.78,9.93 24.21,9.93 18.32,4.04 11.77,4.04 11.77,11.74 4.07,11.74 4.07,18.29 9.96,24.18 9.96,29.75 4.07,35.64 4.07,39.5 4.07,62.31 9.96,68.2 9.96,73.77 4.07,79.66 4.07,86.21 11.74,86.21 11.77,86.24 11.77,93.91 18.32,93.91 24.21,88.01 29.78,88.01 35.67,93.91 38.61,93.91 62.34,93.91 68.23,88.01 73.79,88.01 79.69,93.91 86.24,93.91 86.24,86.21 93.83,86.21 93.83,80.88 94.52,80.19 94.52,79.28 88.73,73.49 88.73,68.46 94.62,62.56 94.62,35.39 88.73,29.49 88.73,24.46 94.62,18.57 94.62,11.05 86.93,11.05 86.93,3.36 79.41,3.36 73.51,9.25 68.49,9.25 62.59,3.36 35.39,3.36 29.5,9.25 24.49,9.25 18.6,3.36 11.08,3.36 11.08,11.05 3.39,11.05 3.39,18.57 9.28,24.46 9.28,29.47 3.39,35.36 3.39,62.59 9.28,68.48 9.28,73.49 3.39,79.38 3.39,86.9 11.08,86.9 11.08,94.59 18.6,94.59 24.49,88.7 29.5,88.7 35.39,94.59 62.62,94.59 68.51,88.7 73.51,88.7 79.41,94.59 86.93,94.59 86.93,86.9 94.52,86.9 94.52,81.16 95.21,80.47 95.21,79 89.41,73.21 89.41,68.74 95.31,62.84 95.31,35.11 89.41,29.21 89.41,24.74 95.31,18.85 95.31,10.37 87.61,10.37 87.61,2.67 79.13,2.67 73.24,8.56 68.76,8.56 62.87,2.67 35.11,2.67 29.22,8.56 24.77,8.56 18.88,2.67 10.4,2.67 10.4,10.37 2.7,10.37 2.7,18.85 8.59,24.74 8.59,29.19 2.7,35.08 2.7,62.87 8.59,68.76 8.59,73.21 2.7,79.1 2.7,87.58 10.4,87.58 10.4,95.28 18.88,95.28 24.77,89.39 29.22,89.39 35.11,95.28 62.9,95.28 68.79,89.39 73.24,89.39 79.13,95.28 87.61,95.28 87.61,87.58 95.21,87.58 95.21,81.44 95.89,80.75 95.89,78.72 90.1,72.93 90.1,69.02 95.99,63.12 95.99,34.83 90.1,28.93 90.1,25.02 95.99,19.13 95.99,9.68 88.3,9.68 88.3,1.98 78.85,1.98 72.96,7.88 69.04,7.88 63.15,1.98 34.83,1.98 28.94,7.88 25.05,7.88 19.16,1.98 9.71,1.98 9.71,9.68 2.01,9.68 2.01,19.13 7.91,25.02 7.91,28.91 2.01,34.8 2.01,63.15 7.91,69.04 7.91,72.93 2.01,78.82 2.01,88.27 9.71,88.27 9.71,95.96 19.16,95.96 25.05,90.07 28.94,90.07 34.83,95.96 63.18,95.96 69.07,90.07 72.96,90.07 78.85,95.96 88.3,95.96 88.3,88.27 95.89,88.27 95.89,81.72 96.58,81.03 96.58,78.44 90.79,72.65 90.79,69.29 96.68,63.4 96.68,34.55 90.79,28.65 90.79,25.3 96.68,19.41 96.68,9 88.98,9 88.98,1.3 78.57,1.3 72.68,7.19 69.32,7.19 63.43,1.3 34.55,1.3 28.66,7.19 25.33,7.19 19.44,1.3 9.02,1.3 9.02,9 1.33,9 1.33,19.41 7.22,25.3 7.22,28.63 1.33,34.52 1.33,63.43 7.22,69.32 7.22,72.65 1.33,78.54 1.33,88.95 9.02,88.95 9.02,96.65 19.44,96.65 25.33,90.76 28.66,90.76 34.55,96.65 63.46,96.65 69.35,90.76 72.68,90.76 78.57,96.65 88.98,96.65 88.98,88.95 96.58,88.95 96.58,81.99 97.26,81.31 97.26,78.16 91.47,72.37 91.47,69.57 97.36,63.69 97.36,34.26 91.47,28.38 91.47,25.57 97.36,19.68 97.36,8.31 89.66,8.31 89.66,0.61 78.29,0.61 72.4,6.51 69.6,6.51 63.71,0.61 34.27,0.61 28.38,6.51 25.61,6.51 19.72,0.61 8.34,0.61 8.34,8.31 0.64,8.31 0.64,19.69 6.53,25.58 6.53,28.36 0.64,34.26 0.64,63.69 6.53,69.59 6.53,72.37 0.64,78.26 0.64,89.63 8.34,89.63 8.34,97.33 19.72,97.33 25.61,91.44 28.38,91.44 34.27,97.33 63.74,97.33 69.63,91.44 72.4,91.44 78.29,97.33 89.66,97.33 89.66,89.67 89.7,89.63 97.29,89.63 v1(97.29,82.4) ; 37.34,10.09 37.88,9.55 60.1,9.55 60.61,10.06 ; 37.34,10.09 37.6,9.83 ; 60.61,10.06 60.38,9.83
  Bottom w0.368: R48.1 72.7,26.57 v3(73.44,25.84) 74.18,26.57 R46.1 ; R45.2 74.18,30.43 v3(73.44,31.17) 72.7,30.43 R47.2
/Coil Driver/IPROPI: length 4.7
  Bottom w0.254: 63.74,30.76 R49.1 ; 66.41,29.98 66.41,30.47 66.17,30.71 C8.1
/Coil Driver/VREF: length 4.9
  Bottom w0.254: C9.1 63.69,26.34 ; U3.16 63.7,29.25
/GPIO Expander/A0: length 1.8
  Bottom w0.203: 34.8,36.59 34.76,36.63 R64.2
/GPIO Expander/A1: length 4.2
  Bottom w0.203: R65.2 40.19,38.33 40.41,38.1 40.41,36.3 40.2,36.09 U4.7
/GPIO Expander/GE_3V3: length 9.8
  In2.Cu w0.635: v1(41.35,31.09) 41.34,31.1 41.36,31.1 42.8,32.54 v1(42.8,34.83)
  Bottom w0.305: U4.10 40.29,34.59 40.54,34.84 C10.1
  Bottom w0.381: R67.1 v1(35.91,27.93) R73.1
  Bottom w0.635: v1(42.8,34.83) 41.34,34.83 C10.1
  vias: v1(30.42,27.93) v1(30.48,24.77) v1(41.42,27.93)
/Interfaces/GPS: length 5.6
  Bottom w0.286: J4.1 49,28.63
/Light Sensor/ADDR: length 7
  Top w0.203: v1(47.12,77.6) 47.13,77.61 47.99,77.61 48,77.6 ; R1.1 v1(52.45,77.6)
  In3.Cu w0.203: v1(52.45,77.6) 47.12,77.6 v1(47.12,77.6)
/Light Sensor/I2C Protection1/DEVICE: length 37.3
  Top w0.203: 51.36,76.94 51.69,76.61 R2.1 ; 50.05,76.95 50.06,76.94 52.73,76.94 53.19,76.48 v1(53.19,71.58)
  In3.Cu w0.203: v1(67.25,69.63) 61.98,69.63 60.4,71.2 55.47,71.2 54.81,70.54 53.62,70.54 53.19,70.97 v1(53.19,71.58)
  Bottom w0.203: R13.1 71.96,70.19 71.96,71.58 71.61,71.94 70.58,71.94 R10.2 68.97,70.33 67.96,70.33 v1(67.25,69.63) 67.13,69.75 Q3.6 65.92,70.23 65.74,70.41 64.8,70.41 64.62,70.23 64.62,69.75
/Light Sensor/I2C Protection/DEVICE: length 36.9
  Top w0.203: 50.05,78.25 50.06,78.26 53.29,78.26 54.38,77.17 v1(54.38,71.58) ; R1.2 51.69,78.62 51.34,78.26
  In3.Cu w0.203: v1(67.25,72.65) 61.27,72.65 60.4,71.78 54.59,71.78 v1(54.38,71.58)
  Bottom w0.203: R7.1 62.59,72.03 62.59,70.59 62.82,70.36 63.95,70.36 R4.2 65.53,71.95 66.55,71.95 v1(67.25,72.65) 67.38,72.53 Q1.6 68.58,72.04 68.74,71.89 69.73,71.89 69.88,72.04 Q1.4
/Light Sensor/LS_3V3: length 30.3
  Top w0.254: C1.1 46.43,78.25 48,78.25
  Top w0.635: C1.1 45.05,78.38 44.53,77.85 v1(44.53,72.11)
  In3.Cu w0.635: v1(44.53,72.11) 44.53,69.45 45.96,68.01 v1(60.35,68.01)
  Bottom w0.381: 68.13,71.14 v1(67.26,71.14) R4.1
  vias: v1(61.75,71.14) v1(61.82,67.98) v1(72.69,74.3) v1(72.75,71.14)
BURN_EN1: length 81.7
  In3.Cu w0.203: v1(33.05,34.45) 31.5,34.45 29.16,36.78 22.53,36.78 19.84,39.47 19.84,58.09 21.75,60 21.75,61.47 23.09,62.82 26.57,62.82 27.31,63.55 27.31,66.32 29.47,68.48 34.27,68.48 34.98,69.19 34.98,73.36 36.05,74.43 47.07,74.43 v1(47.98,75.34)
  Bottom w0.203: U4.1 33.98,34.59 33.84,34.45 v1(33.05,34.45) ; v1(47.98,75.34) R21.1 47.98,76.62 R20.2 50.93,76.62 R19.2
BURN_EN2: length 82.2
  In3.Cu w0.203: v1(33.56,35.02) 31.76,35.02 29.42,37.37 22.76,37.37 20.43,39.7 20.43,57.86 22.33,59.77 22.33,61.26 23.31,62.23 26.8,62.23 27.89,63.33 27.89,66.04 29.75,67.9 34.55,67.9 35.56,68.91 35.56,72.98 36.35,73.77 47.1,73.77 47.98,72.88 v1(47.98,69.26)
  Bottom w0.203: v1(33.56,35.02) 33.63,35.09 U4.2 ; R26.2 49.46,70.73 ; 49.46,70.73 49.63,70.73 50.93,69.43 R25.2 ; 49.46,70.73 49.28,70.73 47.98,69.43 v1(47.98,69.26)
